# Altium PCB TEMPLATE_PCB_4L.PcbDoc (part 2 of 2)
Units mm, origin at the board's own origin, x right, y up, seen from the top; angles counter-clockwise.
Board outline 200 x 110 mm, 4 copper layers (Top, GND, PWR, Bottom), stack 1.591 mm thick; 84 components, 80 nets, 426 pads, 420 vias.
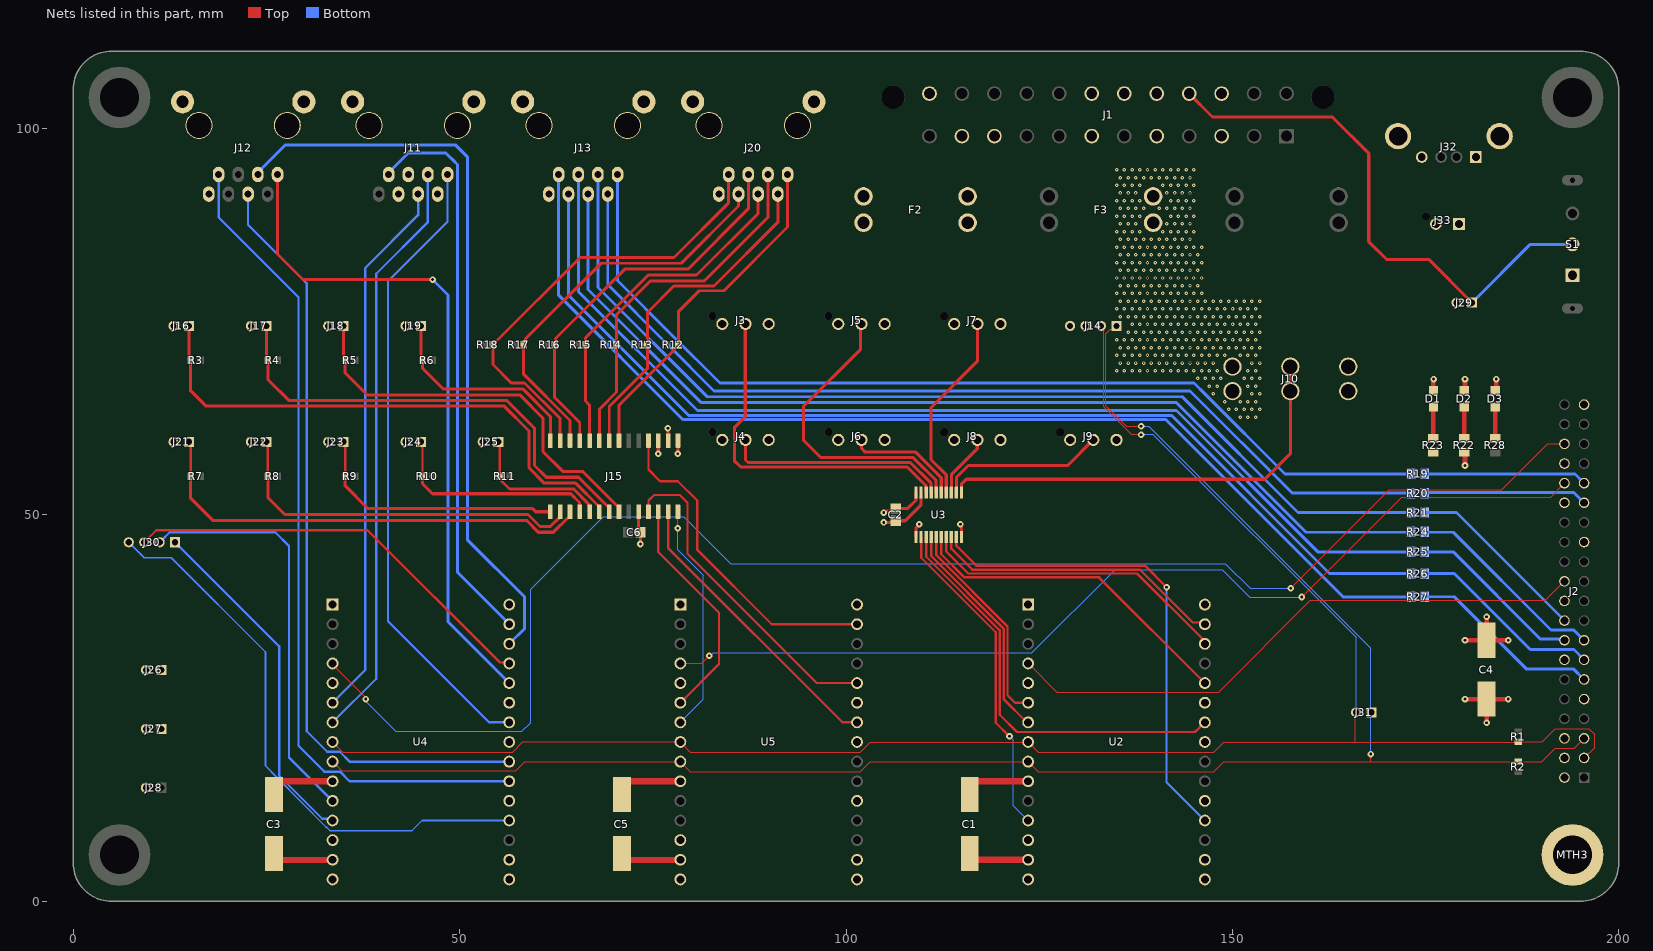
[diagram p4: the nets of this part, all layers, seen from the top]

## Via types
v1: diameter 0.45, hole 0.2, Top to Bottom, tented both sides, 374 vias
v2: diameter 0.85, hole 0.35, Top to Bottom, tented both sides, 46 vias

## Nets (pads, with @x,y where several pads share a name; then routed paths per layer and width w, separated by ;. In a path a pad name is that pad's centre, name@x,y a point inside that pad or via, vN(x,y) a via of type N, cw(c..) or ccw(c..) an arc to the next point about the centre after c; other vN are vias at no path point) (continued)
5V_FUSE: C1.1 C2.2 C3.1 C4.1 C5.1 F3.2_1 F3.2_2 J2.02 J2.04 J10.1_1 J10.1_2 J14.4 J27.1 J32.1 J33.1 R22.2 U2.13 U2.14 U3.1 U3.20 U4.13 U4.14 U5.13 U5.14 | length 42.2
  Top w0.152: C3.1@26,6.2 C3.1@26.866,5.334 ; C5.1@71,6.2 C5.1@71.866,5.334 ; C2.2@105.88,50.292 C2.2@106.134,50.546 ; C1.1@116,6.2 C1.1@116.828,5.372 ; U2.14@123.66,5.372 U2.14@123.698,5.334 ; C4.1@182.87,26.162 C4.1@182.88,26.172 C4.1@182.89,26.162
  Top w0.4: v2(104.902,50.292) 105.024,50.292 105.236,50.504 106.092,50.504 C2.2@106.426,50.838 107.988,50.838 109.07,51.92 109.07,52.865 U3.20@109.075,52.87 ; U3.1@109.075,47.13 109.075,48.326 109.474,48.725 v2(109.474,48.768)
  Top w0.6: R22.2@180,58.125 180.086,58.039 v2(180.086,56.388) ; v2(180.086,26.162) C4.1@182.87,26.162 ; v2(182.88,23.114) C4.1@182.88,26.172 ; C4.1@182.89,26.162 v2(185.674,26.162)
  Top w0.8: C3.1@26.866,5.334 U4.14@33.528,5.334 ; C5.1@71.866,5.334 U5.14@78.486,5.334 ; C1.1@116.828,5.372 U2.14@123.66,5.372
  other v1: 151.009,62.644 152.009,62.644 153.009,62.644 149.509,63.644 150.509,63.644 151.509,63.644 152.509,63.644 153.509,63.644 149.009,64.644 151.009,64.644 152.009,64.644 153.009,64.644 147.509,65.644 152.509,65.644 153.509,65.644 147.009,66.644 148.009,66.644 152.009,66.644 153.009,66.644 145.509,67.644 146.509,67.644 147.509,67.644 148.509,67.644 151.509,67.644 152.509,67.644 153.509,67.644 135.009,68.644 136.009,68.644 137.009,68.644 138.009,68.644 139.009,68.644 140.009,68.644 141.009,68.644 142.009,68.644 143.009,68.644 144.009,68.644 145.009,68.644 146.009,68.644 147.009,68.644 148.009,68.644 152.009,68.644 153.009,68.644 135.509,69.644 136.509,69.644 137.509,69.644 138.509,69.644 139.509,69.644 140.509,69.644 141.509,69.644 142.509,69.644 143.509,69.644 144.509,69.644 145.509,69.644 146.509,69.644 147.509,69.644 152.509,69.644 153.509,69.644 135.009,70.644 136.009,70.644 137.009,70.644 138.009,70.644 139.009,70.644 140.009,70.644 141.009,70.644 142.009,70.644 143.009,70.644 144.009,70.644 145.009,70.644 146.009,70.644 147.009,70.644 148.009,70.644 149.009,70.644 151.009,70.644 152.009,70.644 153.009,70.644 135.509,71.644 136.509,71.644 137.509,71.644 138.509,71.644 139.509,71.644 140.509,71.644 141.509,71.644 142.509,71.644 143.509,71.644 144.509,71.644 145.509,71.644 146.509,71.644 147.509,71.644 148.509,71.644 149.509,71.644 150.509,71.644 151.509,71.644 152.509,71.644 153.509,71.644 135.009,72.644 136.009,72.644 137.009,72.644 138.009,72.644 139.009,72.644 140.009,72.644 141.009,72.644 142.009,72.644 143.009,72.644 144.009,72.644 145.009,72.644 146.009,72.644 147.009,72.644 148.009,72.644 149.009,72.644 150.009,72.644 151.009,72.644 152.009,72.644 153.009,72.644 136.509,73.644 137.509,73.644 138.509,73.644 139.509,73.644 140.509,73.644 141.509,73.644 142.509,73.644 143.509,73.644 144.509,73.644 145.509,73.644 146.509,73.644 147.509,73.644 148.509,73.644 149.509,73.644 150.509,73.644 151.509,73.644 152.509,73.644 153.509,73.644 137.009,74.644 138.009,74.644 139.009,74.644 140.009,74.644 141.009,74.644 142.009,74.644 143.009,74.644 144.009,74.644 145.009,74.644 146.009,74.644 147.009,74.644 148.009,74.644 149.009,74.644 150.009,74.644 151.009,74.644 152.009,74.644 153.009,74.644 135.509,75.644 136.509,75.644 137.509,75.644 138.509,75.644 139.509,75.644 140.509,75.644 141.509,75.644 142.509,75.644 143.509,75.644 144.509,75.644 145.509,75.644 146.509,75.644 147.509,75.644 148.509,75.644 149.509,75.644 150.509,75.644 151.509,75.644 152.509,75.644 153.509,75.644 135.009,76.644 136.009,76.644 137.009,76.644 138.009,76.644 139.009,76.644 140.009,76.644 141.009,76.644 142.009,76.644 143.009,76.644 144.009,76.644 145.009,76.644 146.009,76.644 147.009,76.644 148.009,76.644 149.009,76.644 150.009,76.644 151.009,76.644 152.009,76.644 153.009,76.644 135.509,77.644 136.509,77.644 137.509,77.644 138.509,77.644 139.509,77.644 140.509,77.644 141.509,77.644 142.509,77.644 143.509,77.644 144.509,77.644 145.509,77.644 146.509,77.644 147.509,77.644 148.509,77.644 149.509,77.644 150.509,77.644 151.509,77.644 152.509,77.644 153.509,77.644 135.009,78.644 136.009,78.644 137.009,78.644 138.009,78.644 139.009,78.644 140.009,78.644 141.009,78.644 142.009,78.644 143.009,78.644 144.009,78.644 145.009,78.644 146.009,78.644 135.509,79.644 136.509,79.644 137.509,79.644 138.509,79.644 139.509,79.644 140.509,79.644 141.509,79.644 142.509,79.644 143.509,79.644 144.509,79.644 145.509,79.644 135.009,80.644 136.009,80.644 137.009,80.644 138.009,80.644 139.009,80.644 140.009,80.644 141.009,80.644 142.009,80.644 143.009,80.644 144.009,80.644 145.009,80.644 146.009,80.644 135.509,81.644 136.509,81.644 137.509,81.644 138.509,81.644 139.509,81.644 140.509,81.644 141.509,81.644 142.509,81.644 143.509,81.644 144.509,81.644 145.509,81.644 135.009,82.644 136.009,82.644 137.009,82.644 138.009,82.644 139.009,82.644 140.009,82.644 141.009,82.644 142.009,82.644 143.009,82.644 144.009,82.644 145.009,82.644 146.009,82.644 135.509,83.644 136.509,83.644 137.509,83.644 138.509,83.644 139.509,83.644 140.509,83.644 141.509,83.644 142.509,83.644 143.509,83.644 144.509,83.644 145.509,83.644 135.009,84.644 136.009,84.644 137.009,84.644 138.009,84.644 139.009,84.644 140.009,84.644 141.009,84.644 142.009,84.644 143.009,84.644 144.009,84.644 145.009,84.644 146.009,84.644 135.509,85.644 136.509,85.644 137.509,85.644 138.509,85.644 139.509,85.644 140.509,85.644 141.509,85.644 142.509,85.644 143.509,85.644 144.509,85.644 135.009,86.644 136.009,86.644 137.009,86.644 138.009,86.644 141.009,86.644 142.009,86.644 143.009,86.644 144.009,86.644 145.009,86.644 135.509,87.644 136.509,87.644 137.509,87.644 141.509,87.644 142.509,87.644 143.509,87.644 144.509,87.644 135.009,88.644 136.009,88.644 137.009,88.644 138.009,88.644 142.009,88.644 143.009,88.644 144.009,88.644 145.009,88.644 135.509,89.644 136.509,89.644 137.509,89.644 138.509,89.644 140.509,89.644 141.509,89.644 142.509,89.644 143.509,89.644 144.509,89.644 135.009,90.644 136.009,90.644 137.009,90.644 138.009,90.644 142.009,90.644 143.009,90.644 144.009,90.644 145.009,90.644 135.509,91.644 136.509,91.644 137.509,91.644 141.509,91.644 142.509,91.644 143.509,91.644 144.509,91.644 135.009,92.644 136.009,92.644 137.009,92.644 138.009,92.644 141.009,92.644 142.009,92.644 143.009,92.644 144.009,92.644 145.009,92.644 135.509,93.644 136.509,93.644 137.509,93.644 138.509,93.644 139.509,93.644 140.509,93.644 141.509,93.644 142.509,93.644 143.509,93.644 144.509,93.644 135.009,94.644 136.009,94.644 137.009,94.644 138.009,94.644 139.009,94.644 140.009,94.644 141.009,94.644 142.009,94.644 143.009,94.644 144.009,94.644 145.009,94.644
12V: F2.1_1 F2.1_2 J1.10 J1.11
12V_FUSE: F2.2_1 F2.2_2 J3.1 J4.1 J5.1 J6.1 J7.1 J8.1 J9.1 J26.1 R23.2
BANA0: J15.21 J20.1 R12.1 | length 45.4
  Top w0.38: J15.21@70.635,59.605 70.635,64.183 77.587,71.135 78.065,71.613 78.065,71.765 R12.1@78.3,72 ; R12.1@78.3,71.95 78.3,76.28 81.014,78.994 84.201,78.994 92.445,87.238 J20.1@92.445,94.04
BANA1: J15.22 J20.2 R13.1 | length 44
  Top w0.38: J15.22@69.365,59.605 69.365,64.031 74.3,68.966 R13.1@74.3,72 74.3,76.184 77.728,79.611 82.939,79.611 91.175,87.848 J20.2@91.175,91.5
BANA2: J15.23 J20.3 R14.1 | length 47.6
  Top w0.38: J15.23@68.095,59.605 68.095,63.675 70.3,65.88 R14.1@70.3,72 70.3,75.89 74.674,80.264 81.664,80.264 89.905,88.505 J20.3@89.905,94.04
BANA3: J15.24 J20.4 R15.1 | length 45
  Top w0.38: J15.24@66.825,59.605 66.825,64.192 66.3,64.717 66.3,72.904 74.422,81.026 80.67,81.026 88.635,88.991 J20.4@88.635,91.5
BANA4: J15.25 J20.5 R16.1 | length 51
  Top w0.38: J15.25@65.555,59.605 65.555,61.953 62.3,65.208 R16.1@62.3,72 62.408,72.108 62.408,72.822 71.374,81.788 79.553,81.788 87.365,89.6 J20.5@87.365,94.04
BANA5: J15.26 J20.6 R17.1 | length 52
  Top w0.38: J15.26@64.285,59.605 64.285,62.207 58.3,68.192 R17.1@58.3,72 58.511,72.211 58.511,72.735 68.326,82.55 78.682,82.55 86.095,89.963 J20.6@86.095,91.5
BANA6: J15.27 J20.7 R18.1 | length 58.8
  Top w0.38: J15.27@63.015,59.605 63.015,62.461 58.42,67.056 56.694,67.056 54.315,69.435 54.315,72.065 54.535,72.285 54.6,72.285 65.627,83.312 77.749,83.312 84.825,90.388 J20.7@84.825,94.04
BTN0: J15.3 J21.1 R7.1 | length 59.8
  Top w0.152: J21.1@15,59.45 J21.1@15.2,59.25
  Top w0.3: R7.1@15.2,55 J21.1@15.2,59.25
  Top w0.4: R7.1@15.2,55 15.2,52.145 18.054,49.291 58.659,49.291 60.198,47.752 62.144,47.752 64.037,49.645 64.185,49.645 64.285,49.745 J15.3@64.285,50.395
BTN1: J15.2 J22.1 R8.1 | length 47.8
  Top w0.152: J22.1@25,59.45 J22.1@25.2,59.25 ; R8.1@25.2,54.95 R8.1@25.2,55
  Top w0.3: R8.1@25.2,55 J22.1@25.2,59.25
  Top w0.4: R8.1@25.2,54.95 25.2,52.237 27.399,50.038 58.858,50.038 60.401,48.495 61.745,48.495 62.895,49.645 62.915,49.645 63.015,49.745 J15.2@63.015,50.395
BTN2: J15.1 J23.1 R9.1 | length 33.7
  Top w0.152: J23.1@35,59.45 J23.1@35.2,59.25 ; R9.1@35.2,54.95 R9.1@35.2,55
  Top w0.3: R9.1@35.2,55 J23.1@35.2,59.25
  Top w0.4: R9.1@35.2,54.95 35.2,53.751 38.151,50.8 59.454,50.8 59.859,50.395 J15.1@61.745,50.395
BTN3: J15.4 J24.1 R10.1 | length 28
  Top w0.152: J24.1@45,59.45 J24.1@45.2,59.25 ; R10.1@45.2,54.95 R10.1@45.2,55
  Top w0.3: R10.1@45.2,55 J24.1@45.2,59.25
  Top w0.4: R10.1@45.2,54.95 45.2,54.036 46.505,52.73 64.389,52.73 65.512,51.607 65.512,50.438 J15.4@65.555,50.395
BTN4: J15.5 J25.1 R11.1 | length 18.8
  Top w0.152: J25.1@55,59.45 J25.1@55.2,59.25
  Top w0.3: R11.1@55.2,55 J25.1@55.2,59.25
  Top w0.4: R11.1@55.2,55 55.425,54.775 55.425,54.379 56.464,53.34 64.77,53.34 66.725,51.385 66.725,50.495 J15.5@66.825,50.395
CS: J15.11 U5.26 | length 42.7
  Top w0.3: J15.11@74.445,50.395 74.445,51.839 75.184,52.578 78.486,52.578 79.502,51.562 79.502,44.958 96.228,28.232 101.308,28.232 101.346,28.194 U5.26@101.43,28.232
CTL_INPUT_RST: J2.32 U5.4 | length 126.8
  Top w0.152: U5.4@78.74,30.734 78.778,30.772 81.318,30.772 v2(82.296,31.75) ; v2(158.953,39.369) 171.882,52.299 191.159,52.299 J2.32@192.96,54.1
  Bottom w0.152: v2(82.296,31.75) 82.438,31.75 82.829,32.141 124.055,32.141 134.833,42.919 148.711,42.919 152.261,39.369 v2(158.953,39.369)
DEL0: J2.31 R19.2 | length 21.3
  Bottom w0.38: R19.2@174.752,55.372 174.828,55.296 177.546,55.296 192.452,55.296 192.461,55.305 193.459,55.305 193.468,55.296 194.304,55.296 195.453,54.147 195.453,54.127 J2.31@195.5,54.1
DEL1: J2.29 R20.2 | length 21.1
  Bottom w0.38: R20.2@175.006,52.832 175.069,52.895 176.53,52.895 194.165,52.895 J2.29@195.5,51.56
DEL2: J2.18 R21.2 | length 23.7
  Bottom w0.38: R21.2@175.006,50.292 177.8,50.292 178.988,50.292 J2.18@192.96,36.32
DEL3: J2.15 R24.2 | length 26.3
  Bottom w0.38: R24.2@175.006,47.752 178.562,47.752 191.199,35.115 192.461,35.115 193.459,35.115 194.165,35.115 J2.15@195.5,33.78
DEL4: J2.16 R25.2 | length 23
  Bottom w0.38: R25.2@174.752,45.212 178.562,45.212 189.823,33.951 192.871,33.951 193.015,33.807 J2.16@192.96,33.78
DEL5: J2.13 R26.2 | length 25.1
  Bottom w0.38: R26.2@175.006,42.418 178.689,42.418 188.544,32.563 194.177,32.563 J2.13@195.5,31.24
DEL6: J2.11 R27.2 | length 25.1
  Bottom w0.38: R27.2@174.875,39.4 178.71,39.4 188.075,30.035 194.165,30.035 195.371,28.829 J2.11@195.555,28.829
DEL_RST: J2.22 U2.4 | length 76.8
  Top w0.152: U2.4@123.698,30.734 123.698,30.644 127.281,27.061 148.219,27.061 160.096,38.938 190.498,38.938 J2.22@192.96,41.4
GND: C1.2 C2.1 C3.2 C4.2 C5.2 C6.2 D1.2 D2.2 D3.2 J1.3 J1.5 J1.7 J1.15 J1.17 J1.18 J1.19 J1.24 J2.06 J2.09 J2.14 J2.20 J2.25 J2.30 J2.34 J2.39 J3.3 J4.3 J5.3 J6.3 J7.3 J8.3 J9.3 J10.3_1 J10.3_2 J11.2 J11.5 J11.6 J11.S J12.8 J12.S J13.8 J13.S J14.3 J15.10 J15.15 J15.16 J15.17 J16.2 J17.2 J18.2 J19.2 J20.8 J20.S J21.2 J22.2 J23.2 J24.2 J25.2 J26.2 J27.2 J28.2 J29.2 J32.4 J32.SH1 J32.SH2 J33.2 MTH3.1 S1.1 U2.1 U2.5 U2.10 U2.15 U2.16 U2.17 U2.20 U2.23 U2.25 U2.30 U3.10 U3.19 U4.1 U4.5 U4.10 U4.15 U4.16 U4.17 U4.20 U4.23 U4.25 U4.30 U5.1 U5.5 U5.10 U5.15 U5.16 U5.17 U5.20 U5.23 U5.25 U5.30 | length 57.4
  Top w0.152: C3.2@26,13.8 26,14.458 C3.2@27.074,15.532 ; U4.10@33.49,15.532 U4.10@33.528,15.494 ; C5.2@71,13.8 71,14.458 C5.2@72.074,15.532 ; v2(75.692,57.912) v2@75.704,57.924 ; J15.17@75.704,59.593 J15.17@75.715,59.605 ; J15.16@76.974,59.617 J15.16@76.985,59.605 ; v2(78.232,57.912) v2@78.244,57.924 ; J15.15@78.244,59.593 J15.15@78.255,59.605 ; U5.10@78.702,15.532 U5.10@78.74,15.494 ; C2.1@106.21,49.022 C2.1@106.426,49.238 ; C1.2@116,13.8 116,14.458 C1.2@117.074,15.532 ; U2.10@123.406,15.532 U2.10@123.444,15.494 ; v2@176,67.542 v2(176.022,67.564) ; D2.2@180,66.05 D2.2@180.086,66.136 ; C4.2@182.87,33.782 C4.2@182.88,33.772 C4.2@182.89,33.782 ; D3.2@184,66.05 D3.2@184.15,66.2
  Top w0.4: J15.10@73.175,50.395 73.175,47.983 C6.2@73.406,47.752 v2(73.406,46.228) ; v2@75.704,57.924 J15.17@75.704,59.593 ; v2(76.962,61.214) 76.974,61.202 J15.16@76.974,59.617 ; v2@78.244,57.924 J15.15@78.244,59.593 ; v2(104.902,49.022) C2.1@106.21,49.022 ; C2.1@106.426,49.238 107.658,49.238 109.728,51.308 U3.19@109.728,52.578 ; v2(114.808,48.768) 114.808,48.646 114.925,48.529 U3.10@114.925,47.13
  Top w0.6: D1.2@176,66.05 v2@176,67.542 ; v2(180.086,33.782) C4.2@182.87,33.782 ; D2.2@180.086,66.136 v2(180.086,67.564) ; C4.2@182.88,33.772 v2(182.88,36.83) ; C4.2@182.89,33.782 v2(185.674,33.782) ; D3.2@184.15,66.2 v2(184.15,67.564)
  Top w0.8: C3.2@27.074,15.532 U4.10@33.49,15.532 ; C5.2@72.074,15.532 U5.10@78.702,15.532 ; C1.2@117.074,15.532 U2.10@123.406,15.532
GPIO0: J30.4 U4.19 | length 73.8
  Bottom w0.2: J30.4@7.2,46.45 9.2,44.45 12.7,44.45 24.892,32.258 24.892,17.609 24.892,17.526 26.293,16.1 32.721,9.611 ccw(c33.57,10.452) 32.768,9.566 33.234,9.145 43.849,9.145 45.157,10.452 56.35,10.452 U4.19@56.388,10.414
GPIO1: J30.3 U4.27 | length 55
  Top w0.3: J30.3@9.2,46.45 10.756,48.006 38.1,48.006 55.215,30.891 56.231,30.891 U4.27@56.388,30.734
GPIO2: J30.2 U4.11 | length 53.2
  Bottom w0.3: J30.2@11.176,46.736 11.486,46.736 12.502,47.752 26.162,47.752 27.94,45.974 27.94,18.622 U4.11@33.57,12.992
GPIO3: J30.1 U4.12 | length 45.1
  Bottom w0.3: J30.1@13.2,46.45 26.67,32.98 26.67,16.256 32.238,10.688 33.335,10.688 U4.12@33.57,10.452
MISO: J15.14 U5.7 | length 29.8
  Top w0.152: v2(78.232,48.26) 78.244,48.272 78.244,50.384 J15.14@78.255,50.395
  Bottom w0.152: v2(78.232,48.26) 78.232,45.466 81.534,42.164 81.534,26.116 U5.7@78.57,23.152
MISO_RFID: J11.3 U4.7 | length 76
  Bottom w0.3: U4.7@33.57,23.152 39.218,28.8 39.218,81.204 45.905,87.891 J11.3@45.905,94.04
MOSI: J15.13 U5.24 | length 38.5
  Top w0.3: J15.13@76.985,50.395 76.985,45.697 99.53,23.152 U5.24@101.43,23.152
MOSI_RFID: J11.1 U4.24 | length 82.1
  Bottom w0.3: J11.1@48.445,94.04 48.445,87.928 40.742,80.224 40.742,36.22 53.81,23.152 U4.24@56.43,23.152
NEO_0(GPIO9): U2.12 U3.2 | length 42.4
  Top w0.3: U3.2@109.725,47.13 109.725,44.453 119.38,34.798 119.38,23.114 v2(121.158,21.336)
  Bottom w0.152: v2(121.158,21.336) 121.666,20.828 121.666,12.356 123.444,10.578 U2.12@123.444,10.414
NEO_1(GPIO10): U2.24 U3.3 | length 54.9
  Top w0.3: U3.3@110.375,47.13 110.375,44.565 119.888,35.052 119.888,24.13 122.111,21.907 145.097,21.907 145.288,22.098 145.259,21.981 146.138,22.86 U2.24@146.304,22.86
NEO_2(GPIO5): U2.7 U3.4 | length 29.2
  Top w0.3: U3.4@111.025,47.13 111.025,44.677 120.396,35.306 120.396,26.162 U2.7@123.444,23.114
NEO_3(GPIO4): U2.6 U3.5 | length 27.4
  Top w0.3: U3.5@111.675,47.13 111.675,44.789 120.904,35.56 120.904,26.67 121.882,25.692 U2.6@123.57,25.692
NEO_4(GPIO3): U2.26 U3.6 | length 43.2
  Top w0.3: U3.6@112.325,47.13 112.325,44.901 115.316,41.91 132.752,41.91 U2.26@146.43,28.232
NEO_5(GPIO1): U2.28 U3.7 | length 40.5
  Top w0.3: U3.7@112.975,47.13 112.975,45.267 115.824,42.418 137.668,42.418 146.043,34.043 146.043,34.032 146.304,33.771 U2.28@146.304,33.274
NEO_6(GPIO0): U2.29 U3.8 | length 38.1
  Top w0.3: U3.8@113.625,47.13 113.625,45.633 116.351,42.907 138.039,42.907 144.87,36.075 146.297,36.075 U2.29@146.304,36.068
NEO_7(GPIO18): U2.19 U3.9 | length 62.8
  Top w0.3: U3.9@114.275,47.13 114.28,47.125 114.28,45.994 116.84,43.434 138.684,43.434 v2(141.478,40.64)
  Bottom w0.3: v2(141.478,40.64) 141.478,15.404 U2.19@146.43,10.452
NEOPIXEL_0: J3.2 U3.18 | length 45.4
  Top w0.152: J3.2@86.97,74.67 J3.2@87,74.7
  Top w0.4: J3.2@86.97,74.67 86.97,62.713 85.547,61.29 85.547,56.998 86.361,56.185 107.933,56.185 110.062,54.055 110.066,54.055 110.37,53.751 110.37,52.875 U3.18@110.375,52.87
NEOPIXEL_1: J4.2 U3.17 | length 29.1
  Top w0.4: J4.2@87,59.7 87,57.104 87.335,56.769 108.331,56.769 111.02,54.08 111.02,52.875 U3.17@111.025,52.87
NEOPIXEL_2: J5.2 U3.16 | length 39.1
  Top w0.4: J5.2@102,74.7 101.854,74.554 101.854,71.374 94.488,64.008 94.488,59.69 96.774,57.404 108.712,57.404 111.67,54.446 111.67,52.875 U3.16@111.675,52.87
NEOPIXEL_3: J6.2 U3.15 | length 14.9
  Top w0.4: J6.2@102,59.7 102,58.605 102.49,58.115 109.017,58.115 112.325,54.807 U3.15@112.325,52.87
NEOPIXEL_4: J7.2 U3.14 | length 25.1
  Top w0.4: U3.14@112.975,52.87 112.975,55.173 110.998,57.15 110.998,63.851 117,69.853 J7.2@117,74.7
NEOPIXEL_5: J8.2 U3.13 | length 8.2
  Top w0.4: U3.13@113.625,52.87 113.625,55.205 116.979,58.559 116.979,59.679 J8.2@117,59.7
NEOPIXEL_6: J9.2 U3.12 | length 21.7
  Top w0.4: U3.12@114.275,52.87 114.275,54.839 115.824,56.388 128.688,56.388 J9.2@132,59.7
NEOPIXEL_7: J10.2_1 J10.2_2 U3.11 | length 56.7
  Top w0.4: U3.11@114.925,52.87 114.925,53.965 115.57,54.61 154.178,54.61 157.493,57.925 J10.2_1@157.493,66 157.493,69.329 J10.2_2@157.48,69.342
NetD1_1: D1.1 R23.1 | length 4.2
  Top w0.152: D1.1@176,63.859 176.073,63.932 D1.1@176,63.95
  Top w0.6: R23.1@176,59.875 D1.1@176,63.859
NetD2_1: D2.1 R22.1 | length 4.1
  Top w0.6: R22.1@180,59.875 180,63.973 D2.1@180,63.95
NetD3_1: D3.1 R28.1 | length 4.1
  Top w0.152: D3.1@184,63.883 184.023,63.906 D3.1@184,63.95
  Top w0.6: R28.1@184,59.875 D3.1@184,63.883
NetJ13_1: J13.1 R19.1 | length 126.8
  Bottom w0.38: J13.1@70.445,94.04 70.445,80.304 77.597,73.152 83.693,67.056 145.034,67.056 146.558,65.532 156.79,55.3 R19.1@173.125,55.3
NetJ13_2: J13.2 R20.1 | length 126.7
  Bottom w0.38: J13.2@69.175,91.5 69.175,79.796 76.724,72.247 76.835,72.136 82.931,66.04 144.526,66.04 157.734,52.832 R20.1@172.974,52.832
NetJ13_3: J13.3 R21.1 | length 131.8
  Bottom w0.38: J13.3@67.905,94.04 67.905,79.415 82.042,65.278 143.51,65.278 158.496,50.292 R21.1@172.974,50.292
NetJ13_4: J13.4 R24.1 | length 131.7
  Bottom w0.38: J13.4@66.635,91.5 66.635,79.161 81.28,64.516 142.748,64.516 159.512,47.752 R24.1@172.974,47.752
NetJ13_5: J13.5 R25.1 | length 136.7
  Bottom w0.38: J13.5@65.365,94.04 65.365,78.907 80.772,63.5 142.748,63.5 161.036,45.212 R25.1@172.974,45.212
NetJ13_6: J13.6 R26.1 | length 136.9
  Bottom w0.38: J13.6@64.095,91.5 64.095,78.399 79.65,62.844 142.134,62.844 162.56,42.418 R26.1@172.974,42.418
NetJ13_7: J13.7 R27.1 | length 142
  Bottom w0.38: J13.7@62.825,94.04 62.825,78.399 78.887,62.337 141.371,62.337 164.338,39.37 R27.1@172.974,39.37
PS-On: J1.16 J29.1 S1.2 | length 70.6
  Top w0.4: J1.16@144.4,104.5 147.414,101.486 162.928,101.486 167.64,96.774 167.64,85.344 169.926,83.058 175.392,83.058 J29.1@180.98,77.47
  Bottom w0.4: J29.1@181,77.45 188.55,85 S1.2@193.966,85
RESET: J15.18 U5.29 | length 42.8
  Top w0.3: J15.18@74.445,59.605 74.445,55.857 75.946,54.356 78.232,54.356 80.772,51.816 80.772,45.466 90.386,35.852 101.308,35.852 101.346,35.814 U5.29@101.43,35.852
RESET_RFID: J11.7 U4.29 | length 73.2
  Bottom w0.4: J11.7@40.825,94.04 40.825,94.29 43.36,96.825 48.229,96.825 49.454,95.6 49.454,95.595 49.725,95.323 49.725,42.557 56.388,35.894 56.388,35.814 U4.29@56.43,35.852
RFID_RST: J2.36 U4.4 | length 196.5
  Top w0.152: U4.4@33.782,30.734 33.782,30.393 37.846,26.329 v2(37.846,26.162) ; v2(157.556,40.488) 170.307,53.238 184.836,53.238 190.777,59.18 J2.36@192.96,59.18
  Bottom w0.152: v2(37.846,26.162) 37.846,25.908 41.773,21.981 58.049,21.981 59.182,23.114 59.182,40.386 68.58,49.784 78.994,49.784 85.09,43.688 149.098,43.688 152.298,40.488 v2(157.556,40.488)
SCK: J15.12 U5.6 | length 30
  Top w0.3: J15.12@75.715,50.395 75.715,45.189 83.566,37.338 83.566,30.688 78.74,25.862 U5.6@78.74,25.654
SCK_RFID: J11.4 U4.6 | length 70.4
  Bottom w0.3: U4.6@33.57,25.692 37.795,29.917 37.795,81.94 44.635,88.78 J11.4@44.635,91.5
SCL: J2.05 J14.1 J31.1 R2.1 U2.9 U4.9 U5.9 | length 239.4
  Top w0.152: U4.9@33.57,18.072 33.528,18.034 33.608,18.034 34.741,16.901 57.287,16.901 58.458,18.072 U5.9@78.57,18.072 ; U5.9@78.608,18.034 79.878,16.764 101.854,16.764 103.162,18.072 U2.9@123.57,18.072 ; U2.9@123.608,18.034 124.878,16.764 147.574,16.764 148.86,18.05 167.894,18.05 ; J14.1@135,74.45 134.559,74.009 134.207,74.009 133.629,73.431 133.629,64.124 136.285,61.468 v2(138.176,61.468) ; v2(167.894,19.05) 167.894,18.05 ; J2.05@195.5,21.08 194.232,19.812 191.77,19.812 190.008,18.05 R2.1@187,18.05 167.894,18.05
  Bottom w0.152: v2(138.176,61.468) 139.192,61.468 167.894,32.766 167.894,24.556 J31.1@168.066,24.384 ; v2(167.894,19.05) J31.1@167.894,24.384
SDA: J2.03 J14.2 J31.2 R1.1 U2.8 U4.8 U5.8 | length 240.5
  Top w0.152: U4.8@33.57,20.612 33.528,20.574 33.608,20.574 34.878,19.304 56.896,19.304 58.204,20.612 U5.8@78.57,20.612 79.878,19.304 101.854,19.304 103.124,20.574 123.532,20.574 U2.8@123.57,20.612 ; U2.8@123.698,20.574 123.698,20.484 124.878,19.304 147.574,19.304 148.844,20.574 165.862,20.574 ; J14.2@133,74.45 133,74.137 133.35,73.787 133.35,64.008 136.91,60.448 138.092,60.448 v2(138.176,60.364) ; J31.2@166.116,24.384 165.862,24.13 165.862,20.574 ; J2.03@195.5,18.54 195.58,18.542 195.58,18.62 196.85,19.89 196.85,21.59 196.088,22.352 191.77,22.352 190.068,20.65 R1.1@187,20.65 186.924,20.574 165.862,20.574
  Bottom w0.152: v2(138.176,60.364) 138.264,60.452 139.7,60.452 166,34.152 J31.2@166,24.5
SS0_RFID: J12.1 U4.26 | length 88.1
  Top w0.38: J12.1@26.445,94.04 26.445,83.744 29.747,80.442 v2(46.507,80.442)
  Bottom w0.4: v2(46.507,80.442) 48.514,78.435 48.514,36.148 56.388,28.274 56.388,28.194 U4.26@56.43,28.232
SS1_RFID: J12.3 U4.28 | length 96.5
  Bottom w0.4: J12.3@23.905,94.04 23.905,94.29 27.481,97.866 49.454,97.866 51.003,96.317 51.003,46.787 58.42,39.37 58.42,35.302 56.472,33.354 56.388,33.354 U4.28@56.43,33.312
SS2_RFID: J12.4 U4.22 | length 100.5
  Bottom w0.3: J12.4@22.635,91.5 22.635,87.542 30.226,79.951 30.226,21.994 32.877,19.343 34.505,19.343 35.776,18.072 U4.22@56.43,18.072
SS3_RFID: J12.7 U4.21 | length 107.3
  Bottom w0.3: J12.7@18.825,94.04 18.825,88.5 29.159,78.166 29.159,20.117 32.499,16.777 34.531,16.777 35.776,15.532 56.35,15.532 U4.21@56.388,15.494
SW0: J15.6 J16.1 R3.1 | length 70.8
  Top w0.4: R3.1@15,70.2 J16.1@15,74.45 ; R3.1@15.2,70 15.2,66.055 17.157,64.097 55.735,64.097 58.975,60.857 58.975,56.075 60.948,54.102 65.024,54.102 67.981,51.145 67.995,51.145 68.095,51.045 J15.6@68.095,50.395
SW1: J15.7 J17.1 R4.1 | length 61.2
  Top w0.4: R4.1@25,70.2 J17.1@25,74.45 ; R4.1@25.2,70 25.2,67.514 27.944,64.77 56.134,64.77 59.69,61.214 59.69,56.388 61.214,54.864 65.398,54.864 69.117,51.145 69.265,51.145 69.365,51.045 J15.7@69.365,50.395
SW2: J15.8 J18.1 R5.1 | length 51.7
  Top w0.4: R5.1@35,70.2 J18.1@35,74.45 ; R5.1@35.2,70 35.2,68.359 38.027,65.532 57.783,65.532 60.8,62.515 60.8,58.174 63.348,55.626 65.906,55.626 70.387,51.145 70.535,51.145 70.635,51.045 J15.8@70.635,50.395
SW3: J15.28 J19.1 R6.1 | length 27.5
  Top w0.4: R6.1@45,70.2 J19.1@45,74.45 ; R6.1@45.2,70 45.2,68.948 47.854,66.294 58.166,66.294 61.745,62.715 J15.28@61.745,59.605
pads on no net: J1. J1.8 J1.9 J1.14 J1.20 J2.07 J2.08 J2.10 J2.12 J2.19 J2.21 J2.23 J2.24 J2.26 J2.27 J2.28 J2.33 J2.35 J2.37 J2.38 J2.40 J3.4 J4.4 J5.4 J6.4 J7.4 J8.4 J9.4 J15.19 J15.20 J32.2 J32.3 J33. MTH1.1 MTH2.1 MTH4.1 S1.3 S1.SH1 S1.SH2 U2.2 U2.3 U2.11 U2.18 U2.21 U2.22 U2.27 U4.2 U4.3 U4.18 U5.2 U5.3 U5.11 U5.12 U5.18 U5.19 U5.21 U5.22 U5.27 U5.28

## Polygon pours and split planes (outlines as drawn)
12V_FUSE on Top "12V_FUSE_L01_P019" (solid, pour order 19): 0.017,5.07 0.017,105.07 cw(c5.017,105.07) 5.017,110.07 22.098,110.07 201.422,109.731 201.422,54.864 22.86,54.864 22.86,0 5.017,0.07 cw(c5.017,5.07)
5V_FUSE on Top "5V_FUSE_L01_P017" (solid, pour order 17): 134.006,96.774 146.304,96.774 146.304,77.978 154.432,77.978 154.432,62.23 153.162,62.23 134.006,62.23
5V on Top "5V_L01_P018" (solid, pour order 18): 109.233,107.75 109.228,110 146.304,110 146.304,96.774 133.7,96.774 133.7,83.312 121.742,83.312 121.742,101.422 109.245,101.422
12V on Top "12V_L01_P015" (solid, pour order 15): 99.847,95.834 99.873,95.86 99.873,101.346 121.666,101.346 121.666,94.463 109.245,94.463 109.22,94.437 109.22,83.312 99.925,83.312 99.898,87.655
GND on Bottom "GND_L04_P021" (solid, remove dead copper, pour order 21): 0,5 0,105 cw(c5,105) 5,110 195,110 cw(c195,105) 200,105 200,5 cw(c195,5) 195,0 5,0 cw(c5,5)
3V3 on Bottom "3V3_L04_P020" (solid, pour order 20): 106.68,96.52 113.03,96.52 113.03,100.584 150.876,100.584 150.876,94.742 145.542,94.742 145.542,85.344 160.528,85.344 160.528,102.362 159.766,103.124 159.766,109.728 154.94,109.728 154.94,102.87 107.442,102.87 106.68,102.108
3V3_FUSE on PWR (split plane): 167.765,86.235 157.101,86.235 157.101,92.964 157.101,95.504 157.092,95.554 157.064,95.596 157.022,95.624 156.972,95.633 106.934,95.633 106.884,95.624 106.842,95.596 106.814,95.554 106.805,95.504 106.805,82.171 81.026,82.171 80.976,82.162 80.934,82.134 80.906,82.092 80.897,82.042 80.897,45.595 6.858,45.595 6.808,45.586 6.766,45.558 6.738,45.516 6.729,45.466 6.729,16.764 6.738,16.714 6.766,16.672 6.808,16.644 6.858,16.635 14.603,16.635 14.603,0.51 5,0.51 4.982,0.509 4.706,0.518 4.414,0.547 4.124,0.594 3.837,0.661 3.556,0.747 3.281,0.85 3.013,0.971 2.754,1.11 2.504,1.265 2.266,1.436 2.038,1.623 1.824,1.824 1.623,2.038 1.436,2.266 1.265,2.504 1.11,2.754 0.971,3.013 0.85,3.281 0.747,3.556 0.661,3.837 0.594,4.124 0.547,4.414 0.518,4.706 0.509,4.982 0.51,5 0.51,105 0.509,105.018 0.518,105.294 0.547,105.586 0.594,105.876 0.661,106.163 0.747,106.444 0.85,106.719 0.971,106.987 1.11,107.246 1.265,107.496 1.297,107.54 2.46,108.703 2.504,108.735 2.754,108.89 3.013,109.029 3.281,109.15 3.556,109.253 3.837,109.339 3.862,109.345 167.765,109.345
5V_FUSE on PWR (split plane): 195.294,109.482 195.586,109.453 195.876,109.406 196.163,109.339 196.444,109.253 196.719,109.15 196.987,109.029 197.246,108.89 197.496,108.735 197.734,108.564 197.962,108.377 198.176,108.176 198.377,107.962 198.564,107.734 198.735,107.496 198.89,107.246 199.029,106.987 199.15,106.719 199.253,106.444 199.339,106.163 199.406,105.876 199.453,105.586 199.482,105.294 199.491,105.018 199.49,105 199.49,5 199.491,4.982 199.482,4.706 199.453,4.414 199.406,4.124 199.339,3.837 199.253,3.556 199.15,3.281 199.029,3.013 198.89,2.754 198.735,2.504 198.564,2.266 198.377,2.038 198.176,1.824 197.962,1.623 197.734,1.436 197.496,1.265 197.246,1.11 196.987,0.971 196.719,0.85 196.444,0.747 196.163,0.661 195.876,0.594 195.586,0.547 195.294,0.518 195.018,0.509 195,0.51 14.861,0.51 14.861,16.764 14.852,16.814 14.824,16.856 14.782,16.884 14.732,16.893 6.987,16.893 6.987,45.337 81.026,45.337 81.076,45.346 81.118,45.374 81.146,45.416 81.155,45.466 81.155,57.097 122.707,57.097 122.757,57.107 122.799,57.135 122.824,57.16 122.852,57.202 122.862,57.252 122.862,95.352 122.858,95.375 156.843,95.375 156.843,92.964 156.843,86.106 156.852,86.056 156.88,86.014 156.922,85.986 156.972,85.977 167.894,85.977 167.944,85.986 167.986,86.014 168.014,86.056 168.023,86.106 168.023,109.474 168.02,109.49 195,109.49 195.018,109.491
12V_FUSE on PWR (split plane): 122.603,57.356 81.206,57.356 81.206,81.836 106.985,81.836 107.034,81.846 107.076,81.874 107.104,81.916 107.114,81.966 107.104,82.015 107.089,82.039 107.089,95.222 122.603,95.222
GND on GND (split plane): 195.294,109.482 195.586,109.453 195.876,109.406 196.163,109.339 196.444,109.253 196.719,109.15 196.987,109.029 197.246,108.89 197.496,108.735 197.734,108.564 197.962,108.377 198.176,108.176 198.377,107.962 198.564,107.734 198.735,107.496 198.89,107.246 199.029,106.987 199.15,106.719 199.253,106.444 199.339,106.163 199.406,105.876 199.453,105.586 199.482,105.294 199.491,105.018 199.49,105 199.49,5 199.491,4.982 199.482,4.706 199.453,4.414 199.406,4.124 199.339,3.837 199.253,3.556 199.15,3.281 199.029,3.013 198.89,2.754 198.735,2.504 198.564,2.266 198.377,2.038 198.176,1.824 197.962,1.623 197.734,1.436 197.496,1.265 197.246,1.11 196.987,0.971 196.719,0.85 196.444,0.747 196.163,0.661 195.876,0.594 195.586,0.547 195.294,0.518 195.018,0.509 195,0.51 5,0.51 4.982,0.509 4.706,0.518 4.414,0.547 4.124,0.594 3.837,0.661 3.556,0.747 3.281,0.85 3.013,0.971 2.754,1.11 2.504,1.265 2.266,1.436 2.038,1.623 1.824,1.824 1.623,2.038 1.436,2.266 1.265,2.504 1.11,2.754 0.971,3.013 0.85,3.281 0.747,3.556 0.661,3.837 0.594,4.124 0.547,4.414 0.518,4.706 0.509,4.982 0.51,5 0.51,105 0.509,105.018 0.518,105.294 0.547,105.586 0.594,105.876 0.661,106.163 0.747,106.444 0.85,106.719 0.971,106.987 1.11,107.246 1.265,107.496 1.436,107.734 1.623,107.962 1.824,108.176 2.038,108.377 2.266,108.564 2.504,108.735 2.754,108.89 3.013,109.029 3.281,109.15 3.556,109.253 3.837,109.339 4.124,109.406 4.414,109.453 4.706,109.482 4.982,109.491 5,109.49 195,109.49 195.018,109.491

## Other copper
PWR (plane layer: these items are gaps in the copper):
  lines w0.254: 1.016,107.442 3.048,109.474 11.684,109.474 167.894,109.474 167.894,86.106 156.972,86.106 156.972,92.964 156.972,95.504 122.682,95.504 106.934,95.504 106.934,82.042 81.026,82.042 81.026,45.466 14.732,45.466 6.858,45.466 6.858,16.764 14.732,16.764 14.732,0 ; 106.934,95.326 106.959,95.352 107.163,95.352 ; 106.959,95.25 106.959,81.991 106.985,81.966 81.077,81.966 81.077,57.226 122.707,57.226 122.733,57.252 122.733,95.352 107.137,95.352

## Silkscreen, mask and mechanical layers (free items; w line width, h text height)
Top Overlay:
  drawing of 133 lines, arcs and shapes, not listed
  text ".Projet_Titre" at 0.387,99.365 h10 r270
  text "OFF" at 190.195,95.555 h5
  text "500w ATX power supply" at 108.204,94.742 h1.52
  text "SCREEN" at 173.736,92.71 h1.52
  text "5V" at 182.626,89.408 h1.52
  text "-" at 172.72,86.868 h1.52
  text "+" at 181.864,86.868 h1.52
  text "RFID1" at 19.05,85.344 h1.52
  text "RFID2" at 40.894,85.344 h1.52
  text "LED OUT" at 60.706,85.344 h1.52
  text "BANANA" at 83.82,85.344 h1.52
  text "10A" at 99.06,84.074 h1.52
  text "20A" at 123.19,83.82 h1.52
  text "2A" at 147.32,83.82 h1.52
  text "PS-On" at 176.428,81.788 h1.52
  text "NEO0" at 82.042,81.026 h1.52
  text "NEO2" at 97.028,81.026 h1.52
  text "NEO4" at 112.014,81.026 h1.52
  text "SW3" at 40.996,80.696 h1.52
  text "SW0" at 11.304,80.645 h1.52
  text "SW1" at 21.193,80.645 h1.52
  text "SW2" at 31.175,80.645 h1.52
  text "7SEG" at 129.286,80.264 h1.52
  text "MATRICE" at 152.654,79.756 h1.52
  text "POWER" at 176.454,71.247 h1.52
  text "ON" at 190.83,71.069 h5
  text "3V3" at 182.524,69.164 h1.02
  text "5V" at 179.222,69.139 h1.02
  text "12V" at 174.854,69.088 h1.02
  text "BTN0" at 11.304,66.294 h1.52
  text "BTN1" at 21.193,66.294 h1.52
  text "BTN2" at 31.175,66.294 h1.52
  text "BTN3" at 40.996,66.294 h1.52
  text "BTN4" at 51.19,66.294 h1.52
  text "NEO1" at 82.042,66.04 h1.52
  text "NEO3" at 97.282,66.04 h1.52
  text "NEO5" at 112.014,66.04 h1.52
  text "NEO6" at 127.254,66.04 h1.52
  text "GPIO LIBRE" at 3.302,51.054 h1.52
  text "Not just blinking lights." at 123.19,47.724 h8
  text "GPIO18" at 6.912,38.046 h1 r90
  text "GPIO2" at 9.198,38.046 h1 r90
  text "GPIO8" at 11.484,38.046 h1 r90
  text "GPIO9" at 13.77,38.046 h1 r90
  text "12V" at 9.09,33.22 h1.2
  text "-" at 6.604,33.02 h1.52
  text "+" at 13.208,33.02 h1.52
  text "I2C" at 165.354,28.956 h1.52
  text "5V" at 9.344,25.6 h1.2
  text "SDA" at 161.163,24.257 h0.76
  text "SCL" at 170.815,24.257 h0.76
  text "3V3" at 8.836,17.98 h1.2
  text "Contrôle de RFID" at 30.944,14.478 h4 r90
  text "Contrôle d'entrée" at 76.156,14.478 h4 r90
  text "Contrôle de DELs" at 121.114,14.478 h4 r90
  text "JLCJLCJLCJLC" at 198.224,14.018 h0.8 r90
  text "0" at 148.14,1.019 h3.5
Bottom Overlay:
  text ".Projet_nom_du_cours" at 188.722,6.604 h2
  text "Conçu par :" at 187.198,5.588 h2
  text ".Projet_Concepteur1" at 176.276,5.334 h2
  text ".Projet_Concepteur2" at 176.53,3.556 h2
  text ".Projet_Date" at 186.182,0.508 h0.91
Board Outline:
  the board outline again, w0.254

## Text inside footprints (layer, text, board x,y; h text height)
REV1: Top Overlay "PCB REV #" at 169.926,8.538 h1
SER1: Top Overlay "SERIAL #" at 176.331,8.78 h1